# Altium PCB e-puck3-coreboard.PcbDoc (part 2 of 7) (continued)
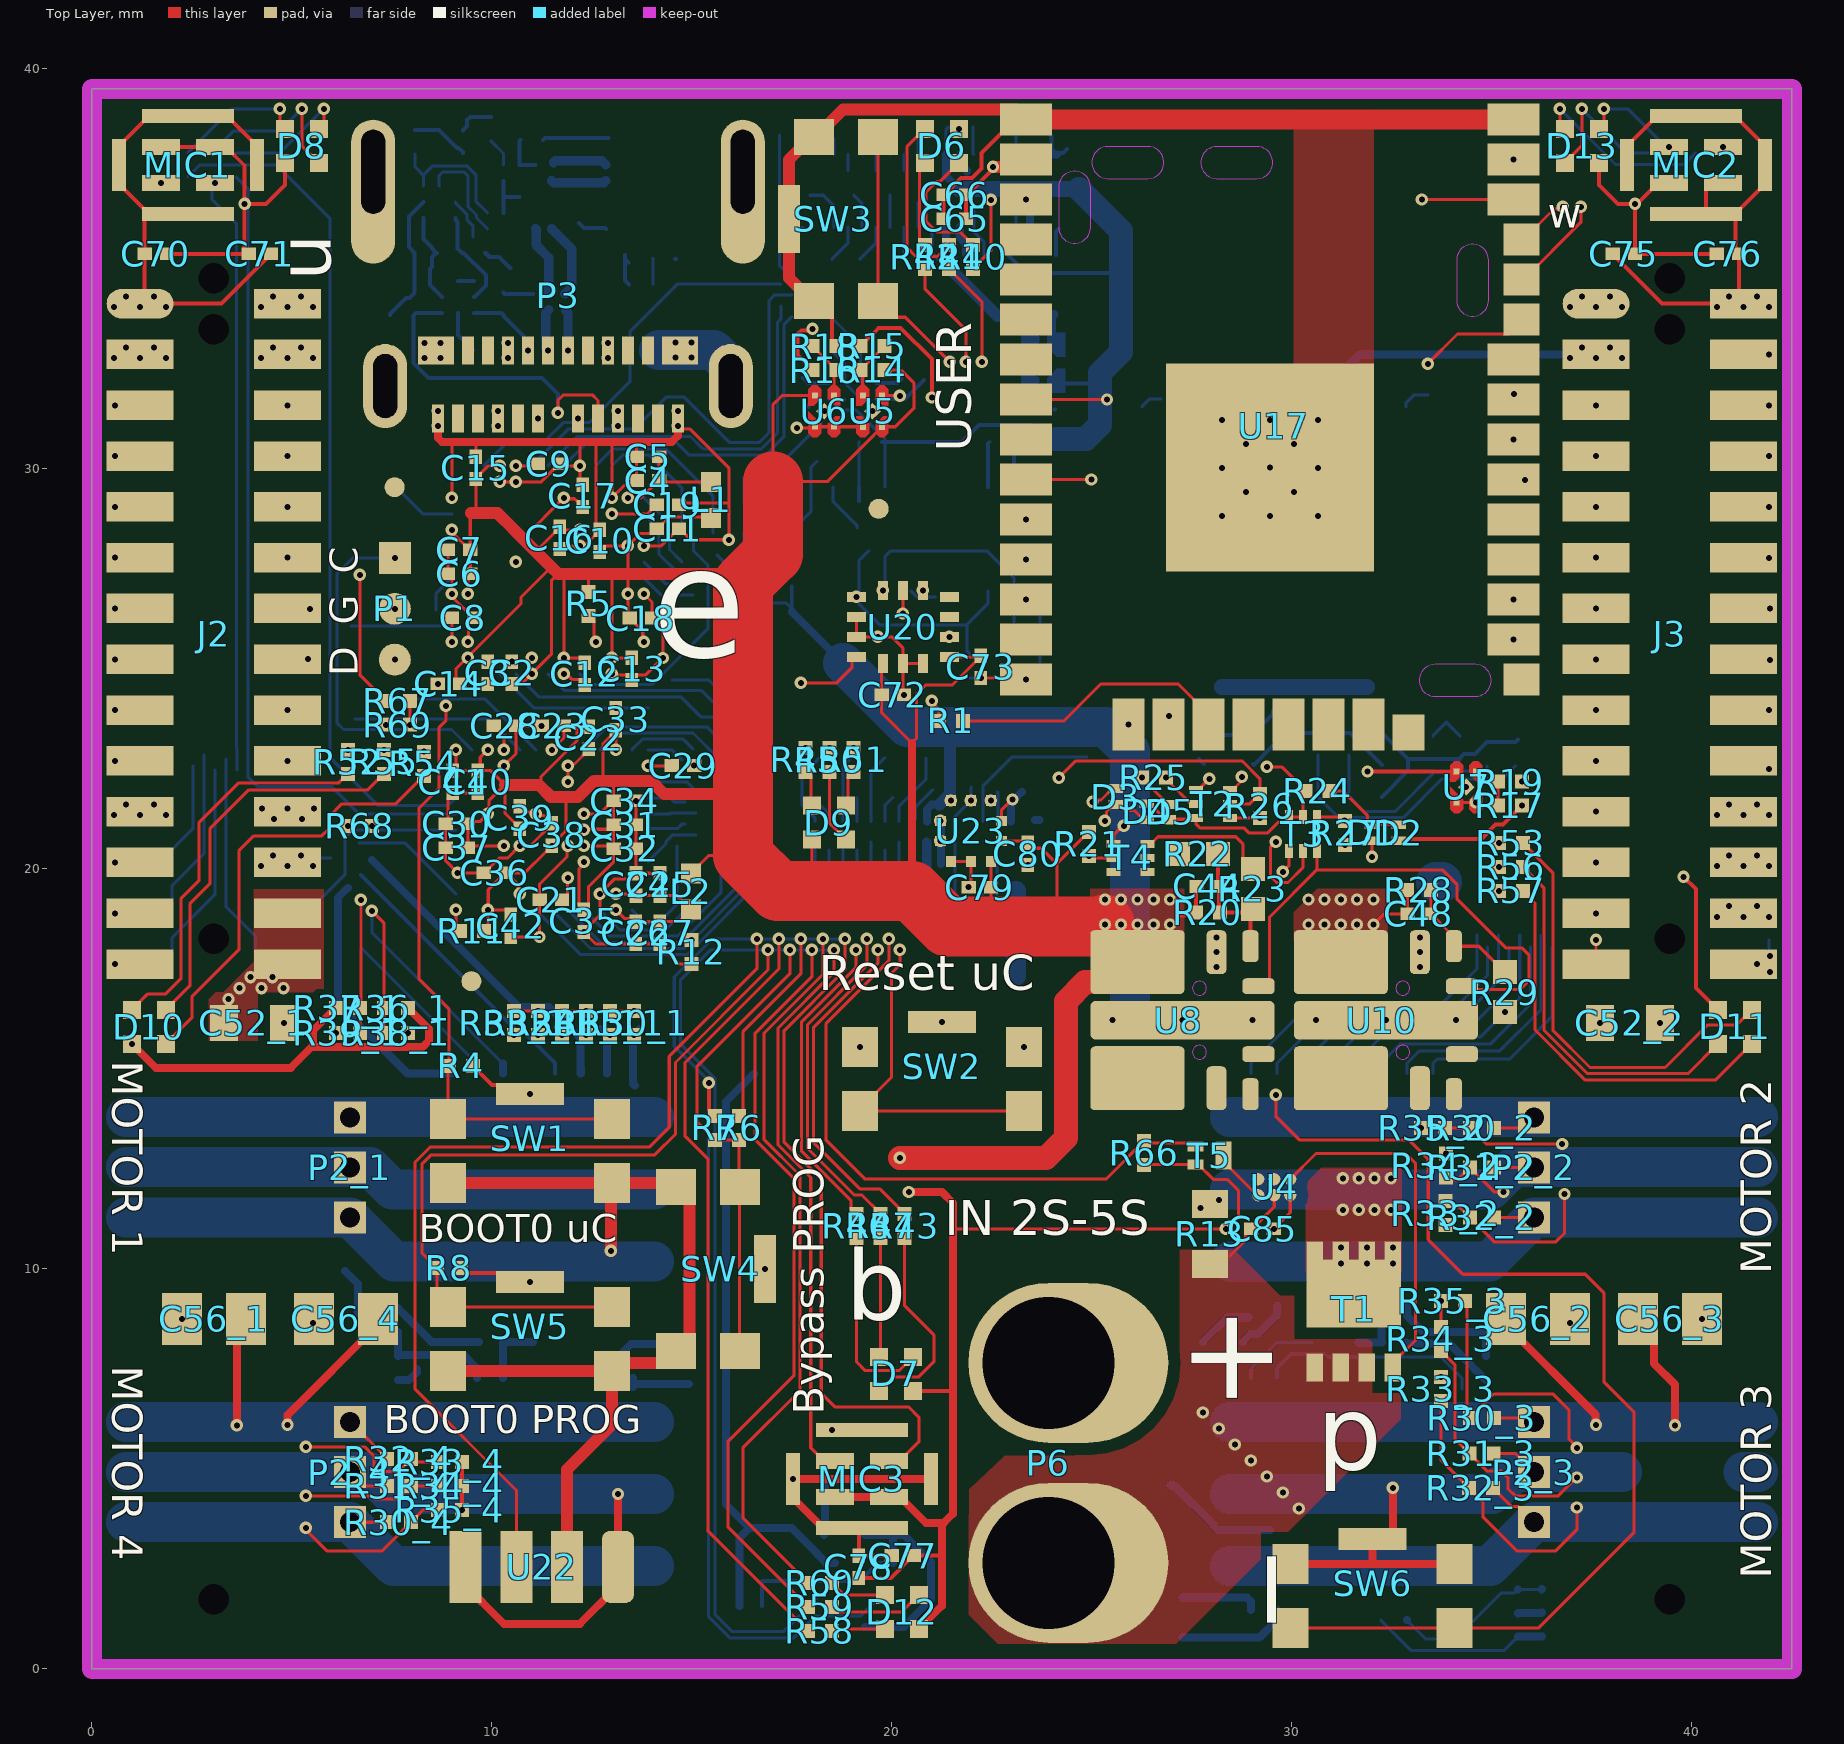
[diagram p0: Top Layer view]
## Nets (pads, with @x,y where several pads share a name; then routed paths per layer and width w, separated by ;. In a path a pad name is that pad's centre, name@x,y a point inside that pad or via, vN(x,y) a via of type N, cw(c..) or ccw(c..) an arc to the next point about the centre after c; other vN are vias at no path point) (continued)
  Top Layer w0.1: MIC1.2@1.725,38.05 MIC1.1@3.075,38.05 3.35,38.05 3.823,37.577 v9(3.823,36.625) ; C70.1@1.88,35.375 C71.1@3.92,35.375 3.823,35.472 v9(3.823,36.625) ; D8.1@4.825,37.65 4.825,37.1 4.35,36.625 v9(3.823,36.625) ; C78.1@19.175,2.27 19.975,2.27 C77.1@20.535,2.83 ; D7.1@20.525,6.95 21.521,6.95 21.525,6.954 ; C77.1@20.555,2.83 21.245,2.83 ; C65.1@21.855,36.25 C66.1@21.855,36.85 21.875,36.85 22.526,37.501 v9(22.526,37.551) ; 27.212,18.835 R20.1@27.525,18.835 ; R20.1@27.6,18.91 C44.1@27.6,19.54 ; v9(31.89,22.435) U7.5@34.12,22.435 ; D13.1@37.675,37.65 37.675,37.1 38.15,36.625 v9(38.58,36.625) v9@38.625,36.625 ; MIC2.1@39.425,37.15 39.15,37.15 v9@38.625,36.625 ; v7(39.793,19.8) 40.1,19.493 40.1,17.025 D11.1@40.65,16.475 ; C76.1@40.62,35.375 C75.1@38.58,35.375 38.58,36.58 v9@38.625,36.625
  Top Layer w0.2: v9(1,15.625) 1.6,15.025 4.975,15.025 5.525,15.575 ; R37_1.1@6.1,16.525 5.525,15.95 5.525,15.575 ; R36_1.1@7.9,16.525 8.425,16 8.425,15.7 8.273,15.548 5.552,15.548 5.525,15.575 ; MIC3.1@18.575,4.3 MIC3.2@19.925,4.3 20.2,4.3 20.85,3.65 21.3,3.65 ; v9(20.425,11.92) 21.255,11.92 21.525,11.65 21.525,6.954 21.525,3.875 21.3,3.65 ; 20.5,19.45 20.5,23.146 ; D12.1@20.675,1 21.25,1.575 21.25,2.825 21.25,3.6 21.3,3.65 ; R20.1@27.525,18.835 R20.1@27.6,18.91
  Top Layer w0.3: SW5.2@8.9,7.45 SW5.2@13,7.45 ; SW1.2@8.9,12.15 SW1.2@13,12.15 ; 9.475,28.896 10.138,28.896 10.559,28.475 ; 10.325,22.1 11.175,22.1 11.479,21.796 11.85,21.796 12.149,21.796 12.549,22.196 12.775,22.196 13.05,22.196 13.981,22.196 14.302,21.875 16.275,21.875 ; 10.6,28.434 10.754,28.279 11.1,27.934 11.489,27.545 11.659,27.375 11.8,27.375 12.421,27.375 13,27.375 13.4,27.375 16.025,27.375 16.275,27.125 ; U22.2@11.885,2.55 11.885,4.989 13,6.104 SW5.2@13,7.4 ; v9(12.975,10.45) 12.975,12.125 SW1.2@13,12.15 ; SW5.2@13.3,7.1 SW5.2@13,7.4 ; v9(22.526,37.551) 23.181,37.551 U17.2@23.36,37.73 ; SW5.2@13,7.4 SW5.2@13,7.45 ; SW5.2@13,7.45 13.2,7.65 14.629,7.65 14.94,7.961 14.94,11.161 14.94,12.011 14.801,12.15 SW1.2@13,12.15
  Top Layer w0.5: 24.1,18.578 24.125,18.553
  Top Layer w0.6: v9(20.2,12.775) 23.85,12.775 24.35,13.275 24.35,16.687 24.833,17.17 U8.3@25.275,17.17
  Top Layer w1.5: 17.025,29.68 17.025,27.875 16.275,27.125 16.275,21.875 16.275,20.329 17.154,19.45 17.98,19.45 20.5,19.45 21.397,18.553 22.45,18.553 24.125,18.553 25.281,18.553 v9(25.333,18.605)
  Top Mid Layer 1 w0.2: v9(1,15.625) 1,19.575 ; v4(30.225,6.15) 30.875,6.15 32.863,8.138 v3(33.575,8.138)
  Top Mid Layer 1 w0.3: v9(12.975,10.45) 12.975,9.125 v4(13.925,8.175)
  Top Mid Layer 1 w0.4: v9(12.975,10.45) 15.3,12.775 v9(20.2,12.775) 20.425,12.55 v9(20.425,11.92)
  Bot Mid Layer 2 w0.077: v3(13.25,37.6) 12.875,37.975 v4(12.28,37.975) 12.28,37.37 v3(12.85,36.8) 13.25,36.4 v3(13.65,36.4)
  Bot Mid Layer 2 w0.2: v3(28.9,15.025) 29.1,14.825 29.1,7.275 v4(30.225,6.15) 30.225,2.375 31.85,0.75 35.015,0.75 v3(35.65,1.385)
  Bot Mid Layer 2 w0.3: v3(11.625,8.175) v4(13.925,8.175)
  Top GND Plane w0.077: v9(28.35,11) v9(29.55,11)
  Bot Mid Layer 1 w0.1: v2(7.25,24.85) 8.975,24.85 v18(9.4,25.275) ; v16(32.039,18.605) 32.805,18.605 35.05,20.85 35.05,22.635 v2(35.59,23.175)
  Bot Mid Layer 1 w0.2: v2(8.125,7.5) 8.8,8.175 v3(11.625,8.175) ; v2(31.05,8.157) 33.992,8.157 v3(34.85,9.015)
  Bot Mid Layer 3 w0.2: v3(11.093,37.2) 11.505,37.2 v4(12.28,37.975)
  Bottom Layer w0.077: X1.4@16.299,28.377 16.3,28.376 C1.1@16.3,27.65 16.32,27.65 16.441,27.529 16.441,27.069 16.864,26.646 17.362,26.646 X2.4@17.499,26.51 ; X2.4@17.499,26.435 X2.4@17.499,26.51 ; C20.1@17.499,27.075 X2.4@17.499,26.51 ; U2.A2@18.416,31.75 18.691,31.475 19.1,31.475 19.825,30.75 19.825,30.675 U19.3@19.825,29.55 ; P4.7@21.35,37.86 21.35,38.475 R81.1@21.425,38.55 ; R78.1@22.525,18.525 23.079,18.525 23.104,18.5
  Bottom Layer w0.1: R64.1@8.075,38.475 R65.1@8.675,38.475 9.125,38.025 9.165,38.025 9.275,37.915 v3(9.275,37.895) ; U13.C2@9.15,34.7 v3(9.55,34.7) ; C74.1@19.755,30.675 19.825,30.675 21.75,30.675 22.175,31.1 23.516,31.1 23.866,30.75 23.08,30.75 C69.1@23.005,30.675 ; R82.1@22.9,35.35 23.35,34.9 24.8,34.9 25.65,34.9 v4(25.725,34.975) ; C69.1@22.955,30.725 C69.1@23.005,30.675 ; U21.3@23.05,29.55 23.05,30.63 C69.1@23.005,30.675 ; C45.1@23.485,31.489 C45.1@23.497,31.489 ; C45.1@23.501,31.485 C45.1@23.497,31.489 ; C45.1@23.517,31.489 23.501,31.489 C45.1@23.497,31.489 ; 24.129,32.304 U9.3@24.129,32.132 ; 25.2,32.075 25.143,32.132 U9.3@24.129,32.132 ; v16(32.039,18.605) C50.1@32.309,18.875 ; U18.11@32.25,21.8 32.905,22.455 32.905,22.745 ; U18.1@32.25,23.4 32.905,22.745 ; R2.1@35.65,23.235 v2(35.59,23.175) R3.1@34.875,23.175 34.575,22.875 34.31,22.875 34.2,22.765 C67.1@34.2,22.745 C68.1@33.525,22.745 32.905,22.745 ; C45.1@23.497,31.489 23.454,31.532 U9.4@23.454,32.138 23.607,31.985 23.982,31.985 U9.3@24.129,32.132
  Bottom Layer w0.2: R37_4.1@7.65,7.215 7.933,7.215 8.125,7.407 v2(8.125,7.5) ; C82.1@16.195,1.575 C81.1@16.195,2.2 16.195,3.279 16.441,3.525 ; v2(16.55,14.875) 15.85,14.175 15.85,4.116 16.441,3.525 ; X2.4@17.499,26.435 17.499,26.426 18.775,25.15 ; MIC4.1@18.575,2.65 18.354,2.65 18.14,2.864 18.14,2.878 17.493,3.525 16.441,3.525 ; P5.7@20.875,21.185 20.875,21.485 20.992,21.602 21.188,21.602 ; P4.7@21.35,37.86 21.35,37.325 21.675,37 ; P4.30@23.45,36.04 23.45,36.975 23.475,37 ; C45.1@23.501,31.485 C45.1@23.501,31.489 ; SD1.4@30.65,31.55 30.65,31.8 31.705,32.855 J5.51@37.608,32.855 ; v3(35.65,1.385) 35.66,1.395 36.24,1.395 R36_3.1@36.25,1.405
  Bottom Layer w0.3: 21.188,21.602 21.45,21.864 21.45,23.55
  Bottom Layer w0.4: 21.675,37 23.475,37 24.675,37
  Bottom Layer w0.5: 23.099,17.325 23.104,18.5 23.107,19.364 23.108,19.45
  Bottom Layer w0.6: 23.866,30.75 24.849,30.75 25.2,31.101 25.2,32.075 25.2,32.4 25.725,32.925 v4(25.725,34.975) v4(25.725,35.35) v4(25.725,35.725) 25.725,35.95 24.675,37
  Bottom Layer w1: 18.775,25.15 20.375,23.55 21.45,23.55 25.35,23.55 25.95,22.95 25.95,16.525
  other v1: 35.65,1.385 8.125,7.5 11.625,8.175 31.05,8.157 34.85,9.015 16.55,14.875 17.25,14.875 16.2,15.225 16.9,15.225 15.85,15.575 16.55,15.575 15.5,15.925 16.2,15.925 30.411,18.025 30.818,18.025 31.225,18.025 31.632,18.025 32.032,18.025 30.418,18.605 31.225,18.605 31.632,18.605 35.59,23.175 7.25,24.85 7.45,34.405 9.55,34.7 25.725,34.975 25.725,35.35 25.725,35.725 13.65,36.4 12.85,36.8 9.089,37.075 11.093,37.2 13.25,37.6 9.275,37.895
  other v2: 35.65,1.385 11.625,8.175 34.85,9.015 17.25,14.875 16.2,15.225 16.9,15.225 15.85,15.575 16.55,15.575 15.5,15.925 16.2,15.925 30.411,18.025 30.818,18.025 31.225,18.025 31.632,18.025 32.032,18.025 30.418,18.605 31.225,18.605 31.632,18.605 7.45,34.405 9.55,34.7 25.725,34.975 25.725,35.35 25.725,35.725 13.65,36.4 12.85,36.8 9.089,37.075 11.093,37.2 13.25,37.6 9.275,37.895
  other v3: 30.411,18.025 30.818,18.025 31.225,18.025 31.632,18.025 32.032,18.025 30.418,18.605 31.225,18.605 31.632,18.605 1.568,19.675 1.968,19.675 2.375,19.675 2.782,19.675 3.189,19.675 1.568,20.3 1.968,20.3 2.375,20.3 2.782,20.3 3.189,20.3 7.45,34.405 25.725,34.975 25.725,35.35 25.725,35.725 9.089,37.075
  other v4: 33.575,8.138 30.411,18.025 30.818,18.025 31.225,18.025 31.632,18.025 32.032,18.025 30.418,18.605 31.225,18.605 31.632,18.605 1.568,19.675 1.968,19.675 2.375,19.675 2.782,19.675 3.189,19.675 1.568,20.3 1.968,20.3 2.375,20.3 2.782,20.3 3.189,20.3 7.45,34.405 9.55,34.7 9.089,37.075 11.093,37.2 9.275,37.895
  other v5: 30.225,6.15 33.575,8.138 13.925,8.175 30.411,18.025 30.818,18.025 31.225,18.025 31.632,18.025 32.032,18.025 25.333,18.605 25.733,18.605 26.14,18.605 26.547,18.605 26.954,18.605 30.418,18.605 31.225,18.605 31.632,18.605 25.333,19.23 25.733,19.23 26.14,19.23 26.547,19.23 26.954,19.23 30.418,19.23 30.818,19.23 31.225,19.23 31.632,19.23 32.039,19.23 1.568,19.675 1.968,19.675 2.375,19.675 2.782,19.675 3.189,19.675 38.986,19.8 39.386,19.8 39.793,19.8 40.2,19.8 40.607,19.8 1.568,20.3 1.968,20.3 2.375,20.3 2.782,20.3 3.189,20.3 38.986,20.425 39.386,20.425 39.793,20.425 40.2,20.425 40.607,20.425 30.411,34.022 30.811,34.022 31.218,34.022 31.625,34.022 32.032,34.022 30.411,34.647 30.811,34.647 31.218,34.647 31.625,34.647 32.032,34.647 28.5,36.588 29.125,36.588 28.5,36.988 29.125,36.988 28.5,37.395 29.125,37.395 28.5,37.802 29.125,37.802 28.5,38.209 29.125,38.209
  other v6: 30.225,6.15 33.575,8.138 13.925,8.175 30.411,18.025 30.818,18.025 31.225,18.025 31.632,18.025 32.032,18.025 25.333,18.605 25.733,18.605 26.14,18.605 26.547,18.605 26.954,18.605 30.418,18.605 31.225,18.605 31.632,18.605 25.333,19.23 25.733,19.23 26.14,19.23 26.547,19.23 26.954,19.23 30.418,19.23 30.818,19.23 31.225,19.23 31.632,19.23 32.039,19.23 1.568,19.675 1.968,19.675 2.375,19.675 2.782,19.675 3.189,19.675 38.986,19.8 39.386,19.8 39.793,19.8 40.2,19.8 40.607,19.8 1.568,20.3 1.968,20.3 2.375,20.3 2.782,20.3 3.189,20.3 38.986,20.425 39.386,20.425 39.793,20.425 40.2,20.425 40.607,20.425 30.411,34.022 30.811,34.022 31.218,34.022 31.625,34.022 32.032,34.022 30.411,34.647 30.811,34.647 31.218,34.647 31.625,34.647 32.032,34.647 28.5,36.588 29.125,36.588 28.5,36.988 29.125,36.988 28.5,37.395 29.125,37.395 28.5,37.802 29.125,37.802 28.5,38.209 29.125,38.209
  other v7: 30.225,6.15 33.575,8.138 13.925,8.175 25.333,18.605 25.733,18.605 26.14,18.605 26.547,18.605 26.954,18.605 30.418,18.605 31.225,18.605 31.632,18.605 25.333,19.23 25.733,19.23 26.14,19.23 26.547,19.23 26.954,19.23 30.418,19.23 30.818,19.23 31.225,19.23 31.632,19.23 32.039,19.23 1.568,19.675 1.968,19.675 2.375,19.675 2.782,19.675 3.189,19.675 38.986,19.8 39.386,19.8 40.2,19.8 40.607,19.8 1.568,20.3 1.968,20.3 2.375,20.3 2.782,20.3 3.189,20.3 38.986,20.425 39.386,20.425 39.793,20.425 40.2,20.425 40.607,20.425 30.411,34.022 30.811,34.022 31.218,34.022 31.625,34.022 32.032,34.022 30.411,34.647 30.811,34.647 31.218,34.647 31.625,34.647 32.032,34.647 28.5,36.588 29.125,36.588 28.5,36.988 29.125,36.988 28.5,37.395 29.125,37.395 28.5,37.802 29.125,37.802 28.5,38.209 29.125,38.209
  other v8: 12.975,10.45 20.425,11.92 20.2,12.775 1,15.625 25.333,18.605 25.733,18.605 26.14,18.605 26.547,18.605 26.954,18.605 30.418,18.605 31.225,18.605 31.632,18.605 25.333,19.23 25.733,19.23 26.14,19.23 26.547,19.23 26.954,19.23 30.418,19.23 30.818,19.23 31.225,19.23 31.632,19.23 32.039,19.23 39.793,19.8 31.89,22.435 28.5,36.588 29.125,36.588 28.5,36.988 29.125,36.988 28.5,37.395 29.125,37.395 28.5,37.802 29.125,37.802 28.5,38.209 29.125,38.209
  other v9: 25.733,18.605 26.14,18.605 26.547,18.605 30.418,18.605 31.225,18.605 31.632,18.605 25.333,19.23 25.733,19.23 26.14,19.23 26.547,19.23 26.954,19.23 30.418,19.23 30.818,19.23 31.225,19.23 31.632,19.23 32.039,19.23 39.793,19.8 21.675,38.5
  other v10: 10.7,20.975
  other v12: 4.233,32.77 4.892,32.77 5.533,32.77 36.95,32.77 37.608,32.77 38.25,32.77 4.533,33.035 5.233,33.035 37.25,33.035 37.95,33.035
  other v16: 30.818,18.605
26MHz_HUB_PROG_1: U3.J11 U16.B3 X2.3 | length 30.2
  Bot Mid Layer 2 w0.077: v4(14.425,35.25) 14.425,35.15 16.7,32.875 16.7,30.725 17.675,29.75 17.675,29.425 17.525,29.275 17.525,28.785 17.86,28.45 v3(18.5,28.45)
  Bot Mid Layer 1 w0.077: v2(15.625,27.85) 17.9,27.85 v3(18.5,28.45)
  Bot Mid Layer 3 w0.077: v3(10.693,37.2) 10.693,36.737 11.655,35.775 13.9,35.775 v4(14.425,35.25)
  Bottom Layer w0.077: U3.J11@12.3,18.975 12.958,18.317 14.642,18.317 15.725,19.4 15.725,20.375 16.15,20.8 16.15,24.79 15.925,25.015 15.925,25.986 16.299,26.36 X2.3@16.299,26.435 16.299,26.51 15.925,26.884 15.925,27.55 v2(15.625,27.85)
  other v1: 15.625,27.85 10.693,37.2
  other v2: 10.693,37.2
  other v4: 10.693,37.2
  other v5: 10.693,37.2
  other v6: 10.693,37.2
  other v7: 10.693,37.2
26MHz_PHY_HS_1: U1.E2 U14.A2 | length 12.3
  Bot Mid Layer 2 w0.077: v4(9.325,32.075) v3(13.25,36)
  Bot Mid Layer 3 w0.077: v4(9.325,32.075) 9.325,31.2 8.2,30.075 8.2,28.685 9.674,27.211 9.674,26.749 v3(9.4,26.475)
  other v1: 9.4,26.475 13.25,36
  other v2: 9.4,26.475 13.25,36
  other v4: 9.4,26.475
/BYPASS_HUB_1: U2.C1 U16.A5 | length 15
  Top Mid Layer 1 w0.077: v3(9.893,37.6) 11.068,38.775 16.768,38.775 v7(17.196,38.346)
  Bottom Layer w0.077: v7(17.196,38.346) 17.196,35.079 19.216,33.059 U2.C1@19.216,32.15
  other v1: 9.893,37.6 17.196,38.346
  other v2: 9.893,37.6 17.196,38.346
  other v3: 17.196,38.346
  other v4: 9.893,37.6 17.196,38.346
  other v5: 9.893,37.6 17.196,38.346
  other v6: 9.893,37.6 17.196,38.346
  other v7: 9.893,37.6
/CS_ENCODERS./CS_ENCODER_1_1: J5.28 U3.K2 | length 38.2
  Bot Mid Layer 2 w0.077: v3(40.875,24.925) 40.6,24.65 40.6,19.559 v3(41.934,18.225) 41.875,18.225 v3@41.85,18.25
  Bot Mid Layer 1 w0.077: v2(12.7,22.575) 12.7,22.948 13.11,23.358 14.065,23.358 15.807,25.1 20.275,25.1 20.446,25.272 24.178,25.272 24.525,24.925 v3(40.875,24.925)
  Bottom Layer w0.077: J5.28@41.3,17.624 J5.28@41.291,17.615 41.604,17.615 41.934,17.945 v3(41.934,18.225)
  other v1: 41.934,18.225 12.7,22.575
  other v2: 41.934,18.225
/CS_ENCODERS./CS_ENCODER_2_1: J5.30 U3.L5 | length 32.7
  Bot Mid Layer 2 w0.077: v4(40.975,22.421) 40.975,19.836 v3(41.925,18.885)
  Bot Mid Layer 3 w0.077: v3(13.1,21.375) 13.574,21.849 16.792,21.849 17.025,22.082 25.586,22.082 25.95,22.447 26.364,22.447 26.931,21.879 28.954,21.879 29.496,22.421 v4(40.975,22.421)
  other v1: 41.925,18.885 13.1,21.375
  other v2: 41.925,18.885 13.1,21.375
  other v4: 41.925,18.885 13.1,21.375
/CS_ENCODERS./CS_ENCODER_3_1: J5.32 U3.M4 | length 35.5
  Bot Mid Layer 2 w0.077: v3(41.925,20.155) 41.375,20.706 41.375,24.05 v3(41.925,24.6)
  Bot Mid Layer 1 w0.077: v2(13.5,21.775) 13.746,22.021 13.954,22.021 14.483,22.549 14.483,22.836 14.956,23.309 15.338,23.309 16.611,24.583 23.258,24.583 23.483,24.807 23.937,24.807 24.962,23.782 27.257,23.782 28.075,24.6 v3(41.925,24.6)
  other v1: 41.925,20.155 13.5,21.775
  other v2: 41.925,20.155
/CS_ENCODERS./CS_ENCODER_4_1: J5.34 U3.K6 | length 31
  Top Mid Layer 1 w0.077: v7(22.75,20.225) 22.75,21.025 v7(23.725,22)
  Top Mid Layer 2 w0.077: v4(12.7,20.975) 16.2,20.975 16.575,20.6 22.375,20.6 v7(22.75,20.225) ; v7(23.725,22) 41.35,22 v3(41.925,21.425)
  other v1: 12.7,20.975 41.925,21.425
  other v2: 12.7,20.975 41.925,21.425
  other v3: 12.7,20.975
  other v4: 41.925,21.425
  other v5: 12.7,20.975 41.925,21.425
  other v6: 12.7,20.975 41.925,21.425
/CS_IMU_1: U1.N9 U20.12 | length 21.5
  Top Mid Layer 1 w0.077: v9(20.775,26.962) 21.612,26.962 22.625,27.975 v7(22.625,34.375)
  Bot Mid Layer 1 w0.077: v2(12.2,29.675) 12.775,30.25 16.911,30.25 17.565,30.904 18.376,30.904 20.647,33.175 22.2,33.175 22.625,33.6 v7(22.625,34.375)
  other v1: 12.2,29.675
  other v3: 22.625,34.375
  other v4: 22.625,34.375
  other v5: 22.625,34.375
  other v6: 22.625,34.375
  other v8: 20.775,26.962
/CS_PRESS_1: U1.K7 U23.6 | length 19
  Top Mid Layer 1 w0.077: v8(18.35,30.725) 18.35,29.525 18.082,29.258 18.082,25.943 18.7,25.325 18.7,24.125 21.208,21.618 21.208,21.204 v9(21.212,21.2)
  Top GND Plane w0.077: v8(11.4,28.475) 11.817,28.892 12.458,28.892 12.739,28.611 14.789,28.611 16.41,30.232 17.057,30.232 17.55,30.725 v8(18.35,30.725)
  other v1: 11.4,28.475
  other v2: 11.4,28.475
  other v3: 11.4,28.475
  other v4: 11.4,28.475
  other v5: 11.4,28.475
  other v6: 11.4,28.475
  other v7: 11.4,28.475
  other v8: 21.212,21.2
/EN_CAN_PROG_1: U3.N1 U21.5 | length 13.2
  Bot Mid Layer 1 w0.077: v2(14.75,22.725) 15.128,22.725 15.508,23.104 15.508,23.261 16.675,24.429 23.696,24.429 v2(23.7,24.425)
  Bottom Layer w0.077: U3.N1@13.9,22.975 14.5,22.975 v2(14.75,22.725) ; v2(23.7,24.425) U21.5@23.7,26.95
  other v1: 14.75,22.725 23.7,24.425
/EN_CAN_uC_1: U1.F9 U19.5 | length 10
  Top Mid Layer 2 w0.077: v4(12.2,26.875) 12.725,26.875 13.2,27.35 20.543,27.35 v3(21.093,26.8)
  Bottom Layer w0.077: U19.5@20.475,26.95 20.625,26.8 v3(21.093,26.8)
  other v1: 21.093,26.8 12.2,26.875
  other v2: 21.093,26.8 12.2,26.875
  other v3: 12.2,26.875
  other v4: 21.093,26.8
  other v5: 21.093,26.8 12.2,26.875
  other v6: 21.093,26.8 12.2,26.875
/EN_PHY_HS_1: C63.1 R72.1 U1.H10 U14.C2 | length 18.3
  Top Mid Layer 1 w0.077: v7(14.02,35.26) 14.265,35.26 17.168,32.357 17.168,28.218 v7(16.75,27.8)
  Bot Mid Layer 1 w0.077: v2(13.25,36.8) 12.982,37.068 12.739,37.068 12.503,36.831 12.503,35.123 12.675,34.95 13.71,34.95 v7(14.02,35.26)
  Top Mid Layer 2 w0.077: v4(12.6,27.675) 12.621,27.653 16.542,27.653 16.689,27.8 v7(16.75,27.8)
  Bottom Layer w0.077: v7(14.02,35.26) 14.025,35.255 R72.1@14.025,34.608
  other v1: 12.6,27.675 14.02,35.26 13.25,36.8
  other v2: 12.6,27.675 14.02,35.26
  other v3: 12.6,27.675 14.02,35.26
  other v4: 14.02,35.26
  other v5: 12.6,27.675 14.02,35.26
  other v6: 12.6,27.675 14.02,35.26
/INT_PD_CTRL_1: U3.G6 U12.B2 | length 31
  Top Mid Layer 1 w0.077: v7(7.35,22.2) 7.35,21.45 8.775,20.025 10.875,20.025 11.237,20.386 11.237,20.711 v7(11.5,20.975)
  Bot Mid Layer 2 w0.077: v4(4.225,31.9) 4.225,32.325 3.965,32.585 3.965,36.34 6.375,38.75 7.85,38.75 8.021,38.579 8.021,36.837 8.183,36.675 v3(8.689,36.675)
  Top Mid Layer 2 w0.077: v6(4.225,22.2) v7(7.35,22.2)
  Bot Mid Layer 3 w0.077: v6(4.225,22.2) v4(4.225,31.9)
  other v1: 11.5,20.975 8.689,36.675
  other v2: 11.5,20.975 8.689,36.675
  other v3: 11.5,20.975
  other v4: 11.5,20.975
  other v5: 11.5,20.975 4.225,22.2
  other v6: 11.5,20.975
/OE_CAM1_1: P4.29 U1.C9 | length 28.5
  Bot Mid Layer 2 w0.077: v3(23.1,36.44) 26.457,33.083 26.457,29.393 26.6,29.251 v4(26.6,25.5)
  Bot Mid Layer 3 w0.077: v4(12.2,25.675) 12.218,25.657 12.218,25.067 12.673,24.611 13.794,24.611 14.92,25.738 19.005,25.738 19.09,25.652 26.386,25.652 26.539,25.5 v4(26.6,25.5)
  Bottom Layer w0.077: P4.29@23.1,36.04 v3(23.1,36.44)
  other v1: 12.2,25.675 23.1,36.44
  other v2: 12.2,25.675 23.1,36.44
  other v3: 12.2,25.675
/OE_CAM2_1: P5.29 U1.B10 | length 22.4
  Bot Mid Layer 2 w0.077: v3(22.625,20.665) 23.243,21.282 23.243,21.768 25.375,23.9 v3(25.375,26.25)
  Bot Mid Layer 1 w0.077: v2(12.6,25.275) 12.332,25.007 12.332,24.764 12.489,24.607 13.323,24.607 14.829,26.114 24.539,26.114 24.675,26.25 v3(25.375,26.25)
  Bottom Layer w0.077: P5.29@22.625,19.365 v3(22.625,20.665)
  other v1: 22.625,20.665 12.6,25.275
  other v2: 22.625,20.665
/PWR_ON_BTN_STATE_1: D3.1 U1.L10 U3.C6 | length 43.3
  Top Layer w0.077: v9(25.019,21.675) 25.062,21.718 25.228,21.718 25.525,22.015 D3.1@25.595,22.015 ; D3.1@25.575,22.035 D3.1@25.595,22.015 ; D3.1@25.665,22.015 D3.1@25.595,22.015
  Top Mid Layer 1 w0.077: v9(25.019,21.675) 25.225,21.881 v7(25.225,28.75)
  Top Mid Layer 2 w0.077: v4(12.6,28.875) 12.879,28.595 25.07,28.595 v7(25.225,28.75) ; v9(25.019,21.675) 25.425,21.675 v6(26.075,21.025)
  Bot Mid Layer 3 w0.077: v3(9.9,20.975) 9.479,20.553 9.479,19.242 9.636,19.084 9.636,18.866 9.937,18.566 10.888,18.566 11.82,17.633 15.308,17.633 16.6,18.925 16.608,18.925 18.825,21.142 23.736,21.142 24.378,20.5 25.55,20.5 v6(26.075,21.025)
  other v1: 9.9,20.975 12.6,28.875
  other v2: 9.9,20.975 12.6,28.875
  other v3: 12.6,28.875
  other v4: 9.9,20.975
  other v5: 26.075,21.025 12.6,28.875
  other v6: 12.6,28.875
  other v7: 25.019,21.675
  other v8: 25.019,21.675
/RESET_HUB_1: R73.2 U3.F1 U16.E3 | length 18.7
  Bot Mid Layer 2 w0.077: v4(6.55,31.9) 6.75,32.1 6.75,33.025 8.79,35.065 9.758,35.065 v3(10.693,36)
  Bot Mid Layer 3 w0.077: v4(6.55,31.9) 6.55,29.888 7.153,29.285 7.153,27.595 7.297,27.452 7.297,24.297 v3(7.25,24.25)
  Bottom Layer w0.077: v3(7.25,24.25) 9.825,24.25 U3.F1@11.1,22.975
  other v1: 7.25,24.25 10.693,36
  other v2: 7.25,24.25 10.693,36
  other v4: 7.25,24.25
/SPI_ESP_CS_1: U1.K6 U17.29 | length 27.6
  Top Mid Layer 1 w0.077: v9(35.825,29.725) v7(35.825,31.05)
  Top GND Plane w0.077: v8(11,28.475) 11,28.848 11.698,29.546 15.223,29.546 16.177,30.5 v8(16.625,30.5)
  Top Mid Layer 2 w0.077: v8(16.625,30.5) 19.075,30.5 19.778,31.203 28.003,31.203 28.11,31.31 35.565,31.31 v7(35.825,31.05)
  other v1: 11,28.475
  other v2: 11,28.475
  other v3: 11,28.475
  other v4: 11,28.475
  other v5: 11,28.475
  other v6: 11,28.475
  other v7: 11,28.475 16.625,30.5
  other v8: 35.825,29.725
/uC_RESET_1: C19.1 R83.2 SW2.2 U1.L11 X1.1 | length 34.8
  Top Layer w0.077: v19@13.055,28.875 13.895,28.875 C19.1@14.12,29.1 ; v9(20.2,17.975) 20.2,17.6 19.995,17.395 19.995,14.795 19.2,14 SW2.2@19.2,13.95 SW2.2@23.3,13.95
  Top Layer w0.1: v19(13,28.875) v19@13.055,28.875
  Top Mid Layer 1 w0.077: v19(13,28.875) 13,26.875 13.35,26.525 13.35,24.475 14.375,23.45 v7(14.375,22.575) ; v7(15.525,22.575) 15.525,18.025 16.375,17.175 19.4,17.175 v9(20.2,17.975)
  Bot Mid Layer 2 w0.077: v4(17,28.65) 17,29.279 v3(17.35,29.629)
  Top Mid Layer 2 w0.077: v7(14.375,22.575) v7(15.525,22.575)
  Bot Mid Layer 3 w0.077: v19(13,28.875) 13.225,28.65 v4(17,28.65)
  Bottom Layer w0.077: R83.2@16.3,29.8 16.3,29.166 X1.1@16.339,29.127 16.339,29.162 16.516,29.338 17.059,29.338 v3(17.35,29.629)
  other v1: 17.35,29.629
  other v2: 17.35,29.629
  other v8: 20.2,17.975
A3V_2: C4.1 C5.1 L1.2 U1.M12 | length 2.9
  Top Layer w0.077: v10(13.4,29.275) 13.731,29.275 14.161,29.705 C4.1@14.181,29.705 ; C5.1@14.181,30.3 C4.1@14.181,29.705 ; L1.2@15.475,29.675 14.211,29.675 C4.1@14.181,29.705
A3V_3: C24.1 C25.1 C26.1 C27.1 L2.2 U3.L10 U3.L11 | length 4.2
  Top Layer w0.077: v10(13.1,18.975) 13.314,18.761 13.519,18.761 C26.1@13.6,18.68 C27.1@14.2,18.68 14.669,18.68 L2.2@14.974,18.985 14.629,19.33 C25.1@14.205,19.33 C24.1@13.605,19.33 13.56,19.375 v10(13.1,19.375)
ADC.ADC3_IN0_1: J3.4 J5.52 U1.M13 | length 33.3
  Bot Mid Layer 2 w0.077: v3(41.15,28.925) 41.15,32.08 v4(41.925,32.855)
  Bot Mid Layer 1 w0.077: v2(14.75,27.675) 15.422,27.675 15.567,27.53 20.455,27.53 21.2,28.275 40.5,28.275 v3(41.15,28.925)
  Bottom Layer w0.077: U1.M13@13.8,29.275 14.441,28.634 14.441,27.984 v2(14.75,27.675)
  other v1: 14.75,27.675 41.925,32.855
  other v2: 41.925,32.855
  other v3: 41.925,32.855
  other v5: 41.925,32.855
  other v6: 41.925,32.855
  other v7: 41.925,32.855
  other v8: 41.925,32.855
  other v9: 41.925,32.855
ADC.ADC3_IN1_1: J3.6 J5.50 U1.J11 | length 32.2
  Bot Mid Layer 2 w0.077: v4(41.421,28.229) 41.421,31.081 v9(41.925,31.585)
  Bot Mid Layer 3 w0.077: v3(13,28.075) 13.263,28.338 15.571,28.338 15.681,28.229 18.157,28.229 18.175,28.247 41.403,28.247 v4(41.421,28.229)
  other v1: 13,28.075 41.925,31.585
  other v2: 13,28.075 41.925,31.585
  other v3: 41.925,31.585
  other v4: 13,28.075 41.925,31.585
  other v5: 41.925,31.585
  other v6: 41.925,31.585
  other v7: 41.925,31.585
  other v8: 41.925,31.585
ADC.ADC3_IN2_1: J3.8 J5.48 U1.J10 | length 30.8
  Top Mid Layer 2 w0.077: v4(12.6,28.075) 13.027,28.075 13.295,27.807 15.783,27.807 16.068,28.093 18.757,28.093 19.175,27.675 20.436,27.675 20.861,28.1 39.7,28.1 41.915,30.315 v3(41.925,30.315)
  other v1: 12.6,28.075 41.925,30.315
  other v2: 12.6,28.075 41.925,30.315
  other v3: 12.6,28.075
  other v4: 41.925,30.315
  other v5: 12.6,28.075 41.925,30.315
  other v6: 12.6,28.075 41.925,30.315
  other v7: 41.925,30.315
  other v8: 41.925,30.315
  other v9: 41.925,30.315
ADC.ADC3_IN8_1: J3.10 J5.46 U1.K11 | length 29.3
  Bot Mid Layer 3 w0.077: v3(13,28.475) 13.017,28.492 16.108,28.492 16.218,28.383 18.094,28.383 18.309,28.597 40.844,28.597 41.296,29.05 v9(41.925,29.05)
  other v1: 13,28.475 41.925,29.05
  other v2: 13,28.475 41.925,29.05
  other v3: 41.925,29.05
  other v4: 13,28.475 41.925,29.05
  other v5: 41.925,29.05
  other v6: 41.925,29.05
  other v7: 41.925,29.05
  other v8: 41.925,29.05
ADC.ADC3_IN9_1: J3.12 J5.44 U1.H11 | length 29.5
  Bot Mid Layer 3 w0.077: v3(13,27.675) 17.822,27.675 18.239,28.093 21.357,28.093 22.025,27.425 41.575,27.425 v9(41.925,27.775)
  other v1: 13,27.675 41.925,27.775
  other v2: 13,27.675 41.925,27.775
  other v3: 41.925,27.775
  other v4: 13,27.675 41.925,27.775
  other v5: 41.925,27.775
  other v6: 41.925,27.775
  other v7: 41.925,27.775
  other v8: 41.925,27.775
ADC.ADC3_IN11_1: J3.14 J5.42 U1.L13 | length 29.5
  Bot Mid Layer 1 w0.077: v2(15.025,27.4) 15.05,27.376 41.082,27.376 v3(41.95,26.508)
  Bottom Layer w0.077: U1.L13@13.813,28.887 U1.L13@13.8,28.875 14.175,28.5 14.175,27.872 14.647,27.4 v2(15.025,27.4)
  other v1: 41.95,26.508 15.025,27.4
  other v2: 41.95,26.508
  other v4: 41.95,26.508
  other v5: 41.95,26.508
  other v6: 41.95,26.508
  other v7: 41.95,26.508
  other v8: 41.95,26.508
  other v9: 41.95,26.508
ADC.ADC3_IN14_1: J3.16 J5.40 U1.H12 | length 36
  Bot Mid Layer 2 w0.077: v3(40.725,29.55) 40.725,27.05 41.95,25.825 v9(41.95,25.225)
  Bot Mid Layer 1 w0.077: v2(13.4,27.675) 13.773,27.675 14.075,27.977 14.075,28.675 14.475,29.075 17.394,29.075 18.971,30.652 18.971,31.046 20.418,32.493 21.228,32.493 23.06,30.66 36.44,30.66 37.55,29.55 v3(40.725,29.55)
  other v1: 41.95,25.225 13.4,27.675
  other v2: 41.95,25.225
  other v3: 41.95,25.225
  other v4: 41.95,25.225
  other v5: 41.95,25.225
  other v6: 41.95,25.225
  other v7: 41.95,25.225
  other v8: 41.95,25.225